# KiCad board AmigaPCI Mainboard.kicad_pcb (continued)
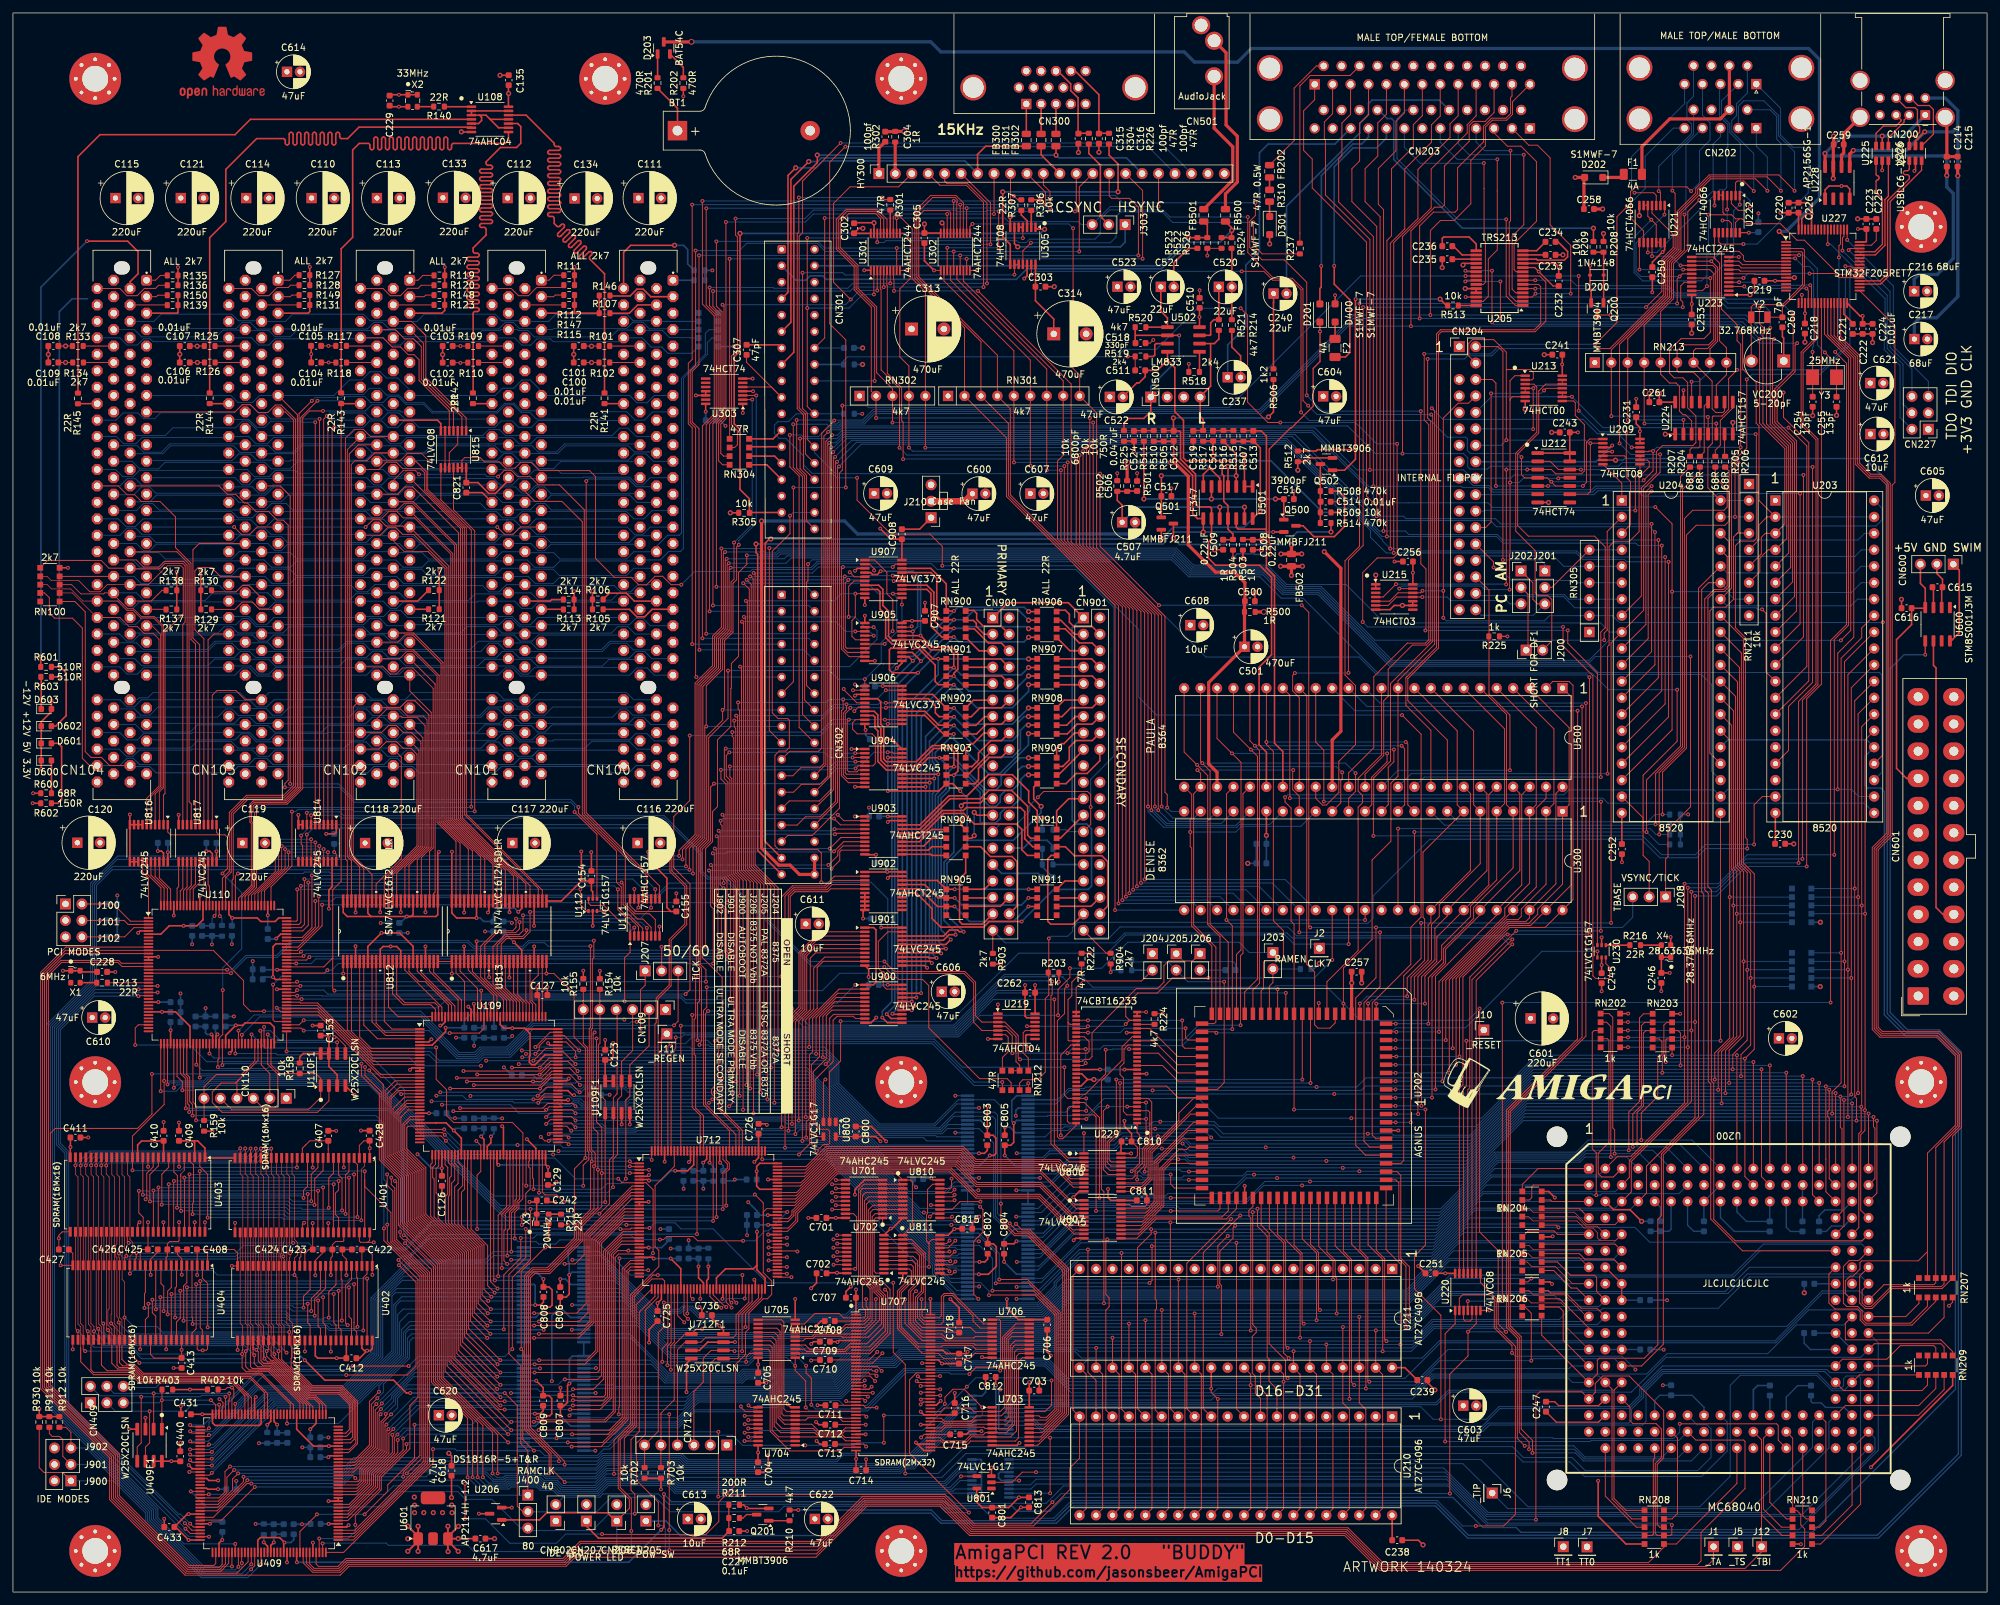
[diagram p0: board, top side]
## Routing (per net, layer and track width the routed paths; a pad name or vN(x,y) marks a point on that pad's centre or on a via; arc(x,y) is an arc through that point) (continued)
_LVTRDY: length 6.9
  Top w0.15: U817.11 25.58,108.91 25.34,108.67 U110.139
_LVTS: length 224.4
  Top w0.15: 27.79,84.63 27.79,75.66 28.27,75.18 v2(28.27,72.85) ; v2(60.25,17.8) 60.25,18.51 62.83,21.09 62.83,48.72 57.28,54.27 v2(57.28,56.16) ; 28.97,11.12 32.23,11.12 v2(37.34,16.22)
  Bottom w0.15: v2(37.34,16.22) 50.65,16.22 52.67,18.25 55.4,18.25 55.85,17.8 v2(60.25,17.8) 63.79,17.8 64.24,18.25 72.96,18.25 74.1,17.11 75.96,17.11 76.27,17.43 81.38,17.43 81.9,16.9 83.97,16.9 84.72,16.15 89.97,16.15 91.46,17.64 101.52,17.64 102.69,16.46 144.06,16.46 146.11,18.51 U809.7 ; v2(57.28,56.16) 57.28,62.74 56.95,63.06 56.95,70.85 56.96,70.86 56.96,72.22 56.33,72.85 v2(28.27,72.85)
_MC1: length 227.9
  Top w0.15: v2(269.07,178.8) 269.18,178.69 269.18,162.69 268.77,162.28 266.66,162.28 265.95,161.57 265.95,148.91 267.5,147.36 267.5,116.5 267.77,116.24 v2(267.77,114.81) ; v2(159.93,100.92) 159.93,92.2 159.94,92.19 159.39,91.65 159.39,80.3 158.21,79.11 155.93,79.11 155.43,78.61 RN212.7
  Top w0.25: U224.1 v1(255.12,178.8)
  Bottom w0.15: v1(255.12,178.8) v2(269.07,178.8) ; v2(267.77,114.81) 261.37,114.81 259.94,113.39 254.28,113.39 251.42,116.24 218.76,116.24 210.01,107.49 210.01,104.08 209.19,103.25 184.5,103.25 184.33,103.42 164.4,103.42 163.62,102.64 163.62,102.04 162.84,101.26 160.27,101.26 v2(159.93,100.92)
_MTR: length 91.3
  Top w0.15: v2(242.1,173.32) 242.09,173.33 U212.12 238.62,173.33 237.35,174.6 U212.2 ; v2(277.86,173.74) 277.86,140.46 274.14,136.74 274.14,129.94 U203.17
  Bottom w0.15: v2(242.1,173.32) 248,173.32 248.41,173.74 v2(277.86,173.74)
_PACK: length 314.2
  Top w0.15: 268.05,163.52 266.25,163.52 266.11,163.38 ; v2(214.55,175.8) 214.53,188.52 214.53,209.29 218.97,213.73 218.97,219.74 224.54,225.3 224.54,226.59 225.91,227.96 CN203.10 ; v2(119.95,178.68) 119.95,173.75 121.39,172.32 121.39,133.51 CN302.20 ; U204.24 262,129.57 262,151.51 262.58,152.09 264.45,152.09 265.65,153.29 265.65,162.92 266.11,163.38 ; 266.11,163.38 266.4,163.67 v2(266.4,174.41)
  Bottom w0.15: v2(119.95,178.68) 121.71,178.68 121.97,178.42 124.39,178.42 125.74,179.77 127.56,179.77 127.86,180.07 206.08,180.07 210.35,175.8 v2(214.55,175.8) 223.96,175.8 224.62,175.14 224.62,173.77 224.98,173.41 227.67,173.41 228.11,173.85 232.78,173.85 232.79,173.86 247.91,173.86 248.46,174.41 v2(266.4,174.41)
_PCIINT: length 103.2
  Top w0.15: v2(37.61,121.16) 37.61,108.79 36.34,107.52 U110.117 ; U815.8 66.07,168.67 70.77,163.97 v2(70.77,121.26)
  Bottom w0.15: v2(37.61,121.16) 70.66,121.16 v2(70.77,121.26)
_PERR: length 136.9
  Top w0.11: CN104.B40 10.79,153.02 8.92,154.9 5.96,154.9 5.3,155.56 RN100.8
  Top w0.13: U816.4 21.95,123.21 23.01,124.27 23.01,149.12 21.74,150.39 19.74,150.39 18.54,151.59 17.59,151.59 16.15,153.02 CN104.B40
  Bottom w0.13: CN104.B40 16.51,153.02 17.62,151.91 18.53,151.91 19.51,152.89 33.19,152.89 ; 53.64,153.01 57.14,153.01 58.26,151.9 59.27,151.9 60.23,152.86 71.65,152.86 71.81,153.02 CN101.B40 ; 33.31,153.02 36.82,153.02 37.93,151.91 39.51,151.91 40.48,152.88 53.49,152.88 ; 94.12,152.87 81.12,152.87 80.15,151.9 78.57,151.9 77.45,153.01 73.95,153.01
_PLOCK: length 134.1
  Top w0.13: CN104.B39 14.16,154.29 14,154.13 10.49,154.13 9.06,155.56 RN100.3 ; 15.54,154 17.73,151.82 18.64,151.82 19.84,150.62 21.84,150.62 23.24,149.22 23.24,124.17 22.6,123.53 U816.3
  Bottom w0.13: 56.11,154.22 53,154.22 51.96,153.18 40.48,153.18 39.37,154.29 CN103.B39 ; 76.5,154.28 80,154.28 81.12,153.17 92.43,153.17 93.47,154.21 96.74,154.21 ; 35.71,154.14 30.7,154.14 29.68,153.12 20.22,153.12 19.05,154.29 CN104.B39 ; 56.18,154.28 59.68,154.28 60.86,153.11 70.31,153.11 71.33,154.13 76.34,154.13
_RAMEN: length 120.1
  Top w0.15: v2(163.2,96.33) 163.2,94.9 161.37,93.07 v2(161.37,89.06) ; v2(101.53,84.68) 101.12,84.27 U712.139
  Bottom w0.15: v2(101.53,84.68) 103.82,84.68 104.88,85.73 146,85.73 149.32,89.06 149.32,89.06 v2(161.37,89.06) ; J203.1 190.89,98.75 189.3,100.34 172.12,100.34 168.11,96.33 v2(163.2,96.33)
_RAMSPACE: length 116
  Top w0.15: 47.28,6.15 47.28,8.25 v2(47.29,8.26) ; v2(52.86,10.37) 52.86,11.78 56.87,15.79 56.87,17.72 61.29,22.14 61.29,28.81 62.53,30.05 62.53,48.28 v2(59.53,51.27) ; U712.130 v2(105.62,55.27)
  Bottom w0.15: v2(47.29,8.26) 51.72,8.26 52.86,9.4 v2(52.86,10.37) ; v2(105.62,55.27) 96.36,55.27 96.18,55.45 80.14,55.45 79.91,55.22 64.45,55.22 61.1,51.87 60.13,51.87 v2(59.53,51.27)
_RAS0: length 21.4
  Top w0.15: U202.57 188.91,59.18 187.34,57.61 176.51,57.61 173.54,54.63 U807.11
_RAS1: length 20
  Top w0.15: U202.56 187.64,58.87 186.68,57.91 176.39,57.91 173.76,55.28 171.08,55.28
_REGEN: length 125.5
  Top w0.15: 100.12,83.67 100.12,85.69 100.76,86.33 ; 100.12,83.67 100.12,85.36 J11.1 ; 100.12,83.67 U712.141 ; U202.23 v2(196.53,92.52)
  Bottom w0.15: 103.64,86.33 145.75,86.33 151.92,92.51 196.52,92.51 v2(196.53,92.52) ; 103.64,86.33 100.76,86.33 ; 103.64,86.33 101.09,86.33
_REGSPACE: length 97.3
  Top w0.15: U712.41 100.62,48.03 100.3,48.35 98.66,48.35 95.94,45.62 95.94,25.73 94.94,24.74 94.94,24.73 93.76,23.54 93.76,16.14 95.47,14.42 v2(95.47,9.43) ; U409.143 v2(47.81,7.51)
  Bottom w0.15: v2(47.81,7.51) 47.85,7.56 57.63,7.56 57.97,7.22 70.21,7.22 71.18,6.25 94.6,6.25 95.47,7.12 v2(95.47,9.43)
_REQ0: length 108.9
  Top w0.15: v2(49.61,179.86) 49.28,179.52 U814.2
  Bottom w0.13: v2(49.61,179.86) 54.1,179.86 55.08,180.84 56.96,180.84 57.94,179.86 59.41,179.86 60.35,180.8 61.72,180.8 62.66,179.86 74.42,179.86 75.4,180.84 77.09,180.84 78.07,179.86 80.07,179.86 81.11,180.9 94.22,180.9
_REQ1: length 90
  Top w0.15: v2(48.47,181.62) 47.97,181.12 U814.4
  Bottom w0.13: v2(48.47,181.62) 48.92,182.07 54.36,182.07 55.3,181.13 56.93,181.13 57.88,182.08 59.57,182.08 60.52,181.13 73.8,181.13
_REQ2: length 67.2
  Top w0.15: U814.3 48.62,180.55 v2(49.04,180.96)
  Bottom w0.13: CN102.B18 v2(49.04,180.96)
_REQ3: length 76.3
  Top w0.15: U814.6 46.68,180.63 v2(46.67,180.64)
  Bottom w0.13: v2(46.67,180.64) 44.68,180.64 44.52,180.8 39.8,180.8 38.86,179.86 37.61,179.86 36.39,181.08 33.44,181.08
_REQ4: length 99.6
  Top w0.15: U814.5 47.32,181.13 v2(47.34,181.15)
  Bottom w0.13: v2(47.34,181.15) 39.78,181.15 38.86,182.07 37.92,182.07 36.65,183.34 35.41,183.34 34.17,182.1 22.79,182.1 21.87,181.18 20.19,181.18 19.3,182.07 17.01,182.07 15.91,180.96 CN104.B18
_RESET: length 707
  Top w0.15: v2(219.07,182.8) 219.5,182.37 219.5,146.36 213.85,140.71 U500.11 213.85,126 212.75,124.9 212.75,115.94 209.85,113.03 209.85,100.79 205.42,96.36 205.42,90.89 v2(205.43,90.88) 205.42,90.87 U202.16 ; 115.85,58.07 115.85,58.69 116.36,59.2 U712.94 ; 115.85,58.07 115.85,60.09 v2(114.55,61.39) ; 115.85,58.07 115.85,49.33 117.15,48.03 117.15,45.95 116.48,45.28 115.83,45.28 113.63,43.08 113.63,40.65 113.1,40.12 113.1,36.68 111.57,35.14 111.57,16.51 109.75,14.69 ; 120.25,90.24 120.25,90.85 ; 120.25,90.85 120.25,95.57 120.01,95.8 120.01,107.42 120.74,108.14 125.79,108.14 126.24,108.59 U902.5 ; 120.25,90.85 v2(120.25,90.13) ; v2(69.79,11.31) v2(69.79,16.72) ; 109.75,14.69 110.13,15.07 143.9,15.07 148.44,10.53 157.15,10.53 v2(160.5,13.88) ; 109.75,14.69 108.98,13.92 108.98,10.89 106.99,8.9 91.01,8.9 v2(90.96,8.95) ; U220.6 225.93,41.46 v2(224.66,40.2) 224.66,36.45 221.85,33.64 221.85,15.24 v2(221.87,15.21) ; v2(230.54,40.18) 229.32,41.4 229.32,52.73 226.45,55.6 v2(226.45,90.1) ; U209.12 v2(249.93,176.75) ; v2(52.86,17.59) 52.41,18.04 U409.21 ; v2(28.84,79.46) U110.49
  Bottom w0.15: v2(249.93,176.75) 247.83,178.85 244.65,178.85 242.42,181.08 220.79,181.08 v2(219.07,182.8) ; v2(221.87,15.21) 161.83,15.21 v2(160.5,13.88) ; v2(224.66,40.2) 224.68,40.18 v2(230.54,40.18) ; v2(28.84,79.46) 29.09,79.71 55.65,79.71 74.21,61.14 114.31,61.14 v2(114.55,61.39) ; v2(52.86,17.59) 53.18,17.27 69.24,17.27 v2(69.79,16.72) ; v2(69.79,11.31) 72.95,11.31 76.72,7.54 83.92,7.54 85.33,8.95 v2(90.96,8.95) ; v2(226.45,90.1) 224.64,88.29 208.02,88.29 v2(205.43,90.88) 202.69,93.62 195,93.62 194.77,93.4 166.74,93.4 164.77,95.37 153.08,95.37 145.25,87.53 122.84,87.53 v2(120.25,90.13)
_ROMEN: length 162.6
  Top w0.15: U211.20 163.67,48.87 163.67,28.12 U210.20 164.68,20.66 163.17,19.15 163.17,15.81 157.59,10.23 148.32,10.23 143.77,14.77 131.2,14.77 127.54,11.11 127.54,11.06 124.3,7.82 87.56,7.82 84.91,5.18 51.4,5.18 50.18,3.96 47.18,3.96 46.81,4.33 U409.141
_RSTOUT: length 45.3
  Top w0.15: v2(231.45,36.93) 231.45,38.05 228.72,40.78 228.72,45.22 228,45.94 223.87,45.94 223.32,45.39 U220.2
  In3.Cu w0.15: U200.129 250.51,29.4 v2(250.51,34.36)
  Bottom w0.15: v2(231.45,36.93) 231.96,36.42 248.45,36.42 v2(250.51,34.36)
_RSTPCI: length 175.9
  Top w0.15: CN103.A15 43.93,181.79 43.93,124.32 42.03,122.43 36.29,122.43 34.01,120.15 34.01,110.1 33.84,109.93 U110.122
  Bottom w0.13: CN104.A15 33.66,184.77 34.76,183.67 36.97,183.67 38.07,184.77 CN103.A15 ; 61.26,184.76 74.46,184.76 75.59,185.89 ; CN102.A15 61.26,185.61 59.41,187.47 57.66,187.47 56.7,188.43 55.12,188.43 53.85,187.16 51.94,187.16 49.56,184.77 40.93,184.77
  Bottom w0.15: 81.57,184.76 95.23,184.76 96.35,183.65 97.9,183.65 99.02,184.76 101.89,184.76 ; 75.59,185.89 77.31,185.89 78.58,187.16 79.88,187.16 81.58,185.46
_RTCEN: length 504.3
  Top w0.15: v2(103.38,113.14) 103.38,114.63 105.62,116.88 105.62,140.23 108.32,142.93 108.32,147.5 109.68,148.86 109.68,160.34 v2(109.95,160.61) ; v2(282.22,146.96) 283.75,148.49 283.75,190.61 280.2,194.16 U227.26 ; U409.117 v2(34.81,3.91)
  Bottom w0.15: v2(103.38,113.14) 16.09,113.14 12.3,109.35 12.3,94.32 5.51,87.53 5.51,28.87 21.68,12.7 21.7,12.7 21.7,11.3 29.58,3.43 34.32,3.43 v2(34.81,3.91) ; v2(282.22,146.96) 246.41,146.96 243.32,143.87 212.97,143.87 201.86,154.98 196.41,154.98 193.42,157.97 182.03,157.97 179.4,160.6 118.31,160.6 117.86,160.16 115.92,160.16 115.47,160.61 109.95,160.61 v2(109.95,160.61)
_RxD: length 101.7
  Top w0.15: U205.8 235.73,203.22 236.67,202.28 236.67,196.26 235.03,194.62 220.56,194.62 220.1,194.16 220.1,145.78 215.37,141.05 215.37,141.05 215.37,137.66 221.47,131.55 U500.41
_SEL0: length 98.3
  Top w0.15: v2(240.7,184.57) U213.9 U213.10 ; v2(274.14,179.81) 276.98,176.97 276.98,142.93 U203.13
  Bottom w0.15: CN204.10 228.26,184.57 v2(240.7,184.57) 245.47,179.81 274.14,179.81 v2(274.14,179.81)
_SEL1: length 109.8
  Top w0.15: U203.14 277.27,140.69 277.27,177.49 273.37,181.39 v2(273.37,185.22) ; v2(234.73,179.57) 234.73,185.85 v2(234.75,185.88) U213.4 U213.5
  Bottom w0.15: v2(273.37,185.22) 272.3,186.3 235.18,186.3 v2(234.75,185.88) ; v2(234.73,179.57) 234.68,179.62 CN204.12
_SIDE: length 56.7
  Top w0.15: U203.12 270.68,142.07 270.68,151.13 v2(270.07,151.74)
  Bottom w0.15: v2(270.07,151.74) 269.39,151.74 269.14,151.99 241.13,151.99 239.41,153.71 233.85,153.71 233.69,153.88 226.19,153.88
_STEP: length 76.4
  Top w0.15: U203.10 275.93,149.5 v2(275.93,169.63)
  Bottom w0.15: v2(275.93,169.63) 275.92,169.63 263.28,169.63 262.86,169.21 251.71,169.21 250.88,170.05 244.71,170.05 244.12,169.46 CN204.20
_STOP: length 149.9
  Top w0.11: 10.12,156.22 5.89,156.22 5.27,156.84 RN100.7 ; CN104.A38 15.71,155.56
  Top w0.13: 26.29,158.13 25.94,158.48 23.84,158.48 20.92,155.56 CN104.A38 ; 15.71,155.56 14.57,155.56 13.46,154.46 11.88,154.46 10.12,156.22
  Top w0.15: U816.2 23.25,123.08 23.48,123.31 23.48,148.26 26.29,151.07 26.29,158.13
  Bottom w0.13: 99.35,155.55 96.5,155.55 95.39,154.44 93.81,154.44 92.84,155.41 79.17,155.41 ; 58.71,155.56 55.87,155.56 54.75,154.45 53.17,154.45 52.2,155.42 38.54,155.42 ; 58.86,155.41 72.53,155.41 73.5,154.44 75.08,154.44 76.19,155.55 79.04,155.55 ; 18.23,155.42 31.89,155.42 32.86,154.45 34.44,154.45 35.56,155.56 CN103.A38
_SYSERR: length 132.2
  Top w0.11: 12.97,150.48 9.17,154.28 RN100.2
  Top w0.13: U816.6 20.65,122.56 22.55,124.46 22.55,147.13 21.64,148.04 20.24,148.04 19.2,149.08 17.93,149.08 16.52,150.48 15.56,150.48
  Top w0.15: 15.56,150.48 CN104.B42
  Bottom w0.13: 74.11,150.63 77.09,150.63 78.36,149.36 79.88,149.36 81,150.47 94.27,150.47 ; CN101.B42 60.96,150.48 59.84,151.6 58.2,151.6 57.23,150.63 53.79,150.63 ; 33.47,150.63 36.45,150.63 37.71,149.37 39.15,149.37 40.26,150.48 53.63,150.48 ; CN104.B42 16.11,150.48 17.22,149.38 18.94,149.38 20.04,150.48 CN103.B42
_TA: length 427
  Top w0.15: v2(93.46,63.81) 94.07,63.2 U712.7 97.76,63.2 98.84,62.12 98.84,52.35 v2(98.81,52.32) ; U110.34 19.36,87.59 18.88,87.11 18.88,84.48 v2(18.87,84.47) ; v2(101.33,27.45) v2(101.33,9.57) ; v2(93.54,27.44) 93.54,28.5 93.64,28.6 v2(93.64,51.53) ; J1.1 262.56,5.01 261.5,3.94 211.25,3.94 205.87,9.33 147.94,9.33 143.4,13.88 131.62,13.88 124.22,6.47 v2(101.33,6.47) 101.29,6.44 87.01,6.44 85.16,4.58 51.65,4.58 50.43,3.36 46.39,3.36 45.31,4.44 U409.138 ; RN210.9 276.87,11.3 276.34,11.82 276.34,22.21
  In3.Cu w0.15: 276.34,22.21 276.34,20.79 J1.1
  Bottom w0.15: v2(18.87,84.47) 27.34,84.47 29.92,81.89 51.81,81.89 52.03,82.12 55.87,82.12 60.47,77.52 60.47,75.32 68.77,67.01 83.66,67.01 86.86,63.81 v2(93.46,63.81) ; v2(93.64,51.53) 98.01,51.53 v2(98.81,52.32) ; v2(93.54,27.44) 101.32,27.44 v2(101.33,27.45) ; v2(101.33,9.57) v2(101.33,6.47)
_TBI: length 307
  Top w0.15: 269.97,12.35 269.98,12.34 J12.1 269.98,6.19 267.44,3.64 211.13,3.64 205.74,9.03 147.82,9.03 143.28,13.57 131.75,13.57 124.07,5.9 v2(100.72,5.9) 86.9,5.9 85.28,4.28 51.77,4.28 50.55,3.06 46.26,3.06 44.81,4.51 U409.137 ; 269.97,12.35 269.97,23.5 U200.155 ; 269.97,12.35 269.97,11.92 273.15,8.74 RN210.4 ; v2(99.65,10.29) 99.65,13.88 96.26,17.27 96.26,22.97 97.64,24.35 97.64,43.54 99.62,45.51 U712.39
  Bottom w0.15: v2(99.65,10.29) 100.22,10.29 100.72,9.79 v2(100.72,5.9)
_TCI: length 241.8
  Top w0.15: 266.18,22.21 266.18,16.78 256.82,7.42 RN208.6 254.92,6.94 252.52,4.55 211.5,4.55 206.11,9.93 148.19,9.93 143.65,14.47 131.38,14.47 124.43,7.52 87.68,7.52 85.03,4.88 51.52,4.88 50.3,3.66 46.51,3.66 45.81,4.36 U409.139
_TEA: length 400
  Top w0.15: 274.79,12.63 274.79,23.77 U200.157 ; U110.10 8.17,99.59 4.27,95.69 4.27,31.39 14.92,20.74 14.92,14.27 26.58,2.61 50.53,2.61 51.9,3.98 85.41,3.98 86.8,5.38 123.97,5.38 131.87,13.27 143.15,13.27 147.7,8.73 205.62,8.73 211,3.34 272.93,3.34 276.64,7.06 276.64,9.76 276.04,10.36 276.04,11.99 275.41,12.62 RN210.1
_TIP: length 155.5
  Top w0.15: U200.141 279.92,26.26 279.92,11 278.94,10.02 RN210.8
  Bottom w0.15: U200.141 277.84,26.26 277.84,22.32 268.4,12.87 230.82,12.87 J6.1 223.87,19.82 158.16,19.82 158.15,19.81 153.79,19.81
_TRDY: length 148.5
  Top w0.13: 14.81,158.1 13.62,159.3 12.18,159.3
  Top w0.15: 18.18,158.01 22.66,158.01 23.49,158.84 26.21,158.84 26.59,158.46 26.59,149.79 26.23,149.43 U817.9 ; RN100.6 5.35,159.3 12.18,159.3 ; CN104.A36 14.81,158.1
  Bottom w0.13: CN103.A36 34.9,158.1 33.78,156.98 32.11,156.98 31.01,156.98 30.41,156.39 24.01,156.39 22.44,157.96 18.23,157.96 ; 58.71,158.1 55.21,158.1 54.09,156.98 43.73,156.98 42.75,157.96 38.54,157.96 ; 79.17,157.95 83.38,157.95 84.36,156.97 94.72,156.97 95.84,158.09 99.35,158.09 ; 79.04,158.09 75.54,158.09 74.41,156.97 64.05,156.97 63.07,157.95 58.86,157.95
_TS: length 184.9
  Top w0.15: U200.142 282.92,28.8 294.25,28.8 296.89,31.44 RN209.8
  In3.Cu w0.15: U200.142 279.92,25.79 279.92,20.64 J5.1
  Bottom w0.15: U809.13 220.89,19.16 227.76,12.29 270.42,12.29 280.38,22.25 280.38,26.26 U200.142
_TxD: length 98.8
  Top w0.15: U500.40 218.93,133.06 215.06,136.93 215.06,141.17 215.24,141.35 215.25,141.35 219.8,145.9 219.8,194.28 220.44,194.92 234.91,194.92 235.88,195.89 235.88,201.59 235.55,201.92 U205.6
_UDS: length 117.5
  Top w0.15: U229.52 163.1,74.96 162.8,74.66 162.8,72.71 163.09,72.42 U229.56 164.16,72.07 162.09,70 161.57,70 161.26,70.31 161.26,88.21 162.37,89.32 162.37,93.2 v2(162.79,93.62) ; v2(107.32,89.72) 106.93,89.32 106.93,75.34 111.62,70.65 U712.118
  Bottom w0.15: v2(107.32,89.72) 107.33,89.71 119.64,89.71 122.12,87.23 145.37,87.23 153.15,95.01 162.11,95.01 162.11,94.93 162.79,94.25 v2(162.79,93.62)
_UMBE: length 152.6
  Top w0.15: U110.38 v2(23.34,78.92) 23.34,75.29 18.45,70.4 U403.15 18.45,65.15 v2(18.46,65.14) ; v2(110.14,59.68) 110.12,59.7 110.12,64.84 110.6,65.32 110.6,66.24 110.12,66.72 U712.121 ; v2(43.84,65.57) 43.84,67
  Bottom w0.15: v2(23.34,78.92) 29.46,78.92 29.95,79.41 55.53,79.41 75.26,59.68 v2(110.14,59.68) ; v2(43.84,65.57) 26.37,65.57 25.87,65.07 18.46,65.07
_UUBE: length 177.6
  Top w0.15: v2(108.11,57.32) 108.12,57.33 U712.125 ; U403.39 17.65,54.13 v2(17.87,53.91) ; U401.39 43.08,54.08 v2(43.25,53.91) ; v2(22.81,77.34) 22.81,84.65
  Bottom w0.15: v2(17.87,53.91) v2(43.25,53.91) 45.66,53.91 46.45,53.12 60.54,53.12 64.74,57.32 77.19,57.32 ; 77.19,57.32 v2(108.11,57.32) ; 77.19,57.32 76.34,57.32 55.15,78.51 30.32,78.51 29.83,78.02 25.9,78.02 25.21,77.33 22.82,77.33 v2(22.81,77.34)
_VBEN: length 128.8
  Top w0.15: U701.19 129.77,58.43 130.27,57.93 130.27,50.12 v2(130.05,49.9) 130.04,49.89 U702.19 ; U704.19 112.96,23.31 v2(112.95,23.32) ; v2(101.57,34.34) 101.57,38.08 102.12,38.62 U712.44 ; v2(160.36,32.68) 160.36,28.88 159.35,27.87 U703.19
  In2.Cu w0.15: v2(147.28,31.71) 147.28,32.26 143.4,36.15 140,36.15 132.42,43.72 132.42,47.12 130.05,49.5 v2(130.05,49.9) ; v2(101.57,34.34) 102.08,34.34 112.95,23.46 v2(112.95,23.32)
  Bottom w0.15: v2(112.95,23.32) 113.66,23.32 115.28,24.95 140.52,24.95 v2(147.28,31.71) 148.66,33.09 158.88,33.09 159.29,32.68 v2(160.36,32.68)
_VC1: length 125.9
  Top w0.15: v2(119.98,166.21) 119.98,163.45 117.24,160.71 117.24,135.77 118.13,134.88 119.62,134.88 119.87,134.63 119.87,130.4 119.34,129.87 118.31,129.87 117.65,129.21 117.65,115.23 118.24,114.64 124.29,114.64 124.81,114.12 v2(124.81,109.6) ; v2(135.08,94.92) 136.42,94.92 136.74,94.6 140.44,94.6 141.4,93.65 141.4,87.13 149.26,79.27 153.51,79.27 154.11,78.67 RN212.6
  Bottom w0.15: v2(119.98,166.21) 120.47,166.7 CN301.34 ; v2(124.81,109.6) 132.49,109.6 135.08,107.01 v2(135.08,94.92)
_VC3: length 167.3
  Top w0.15: v2(152.76,78.75) 152.77,78.73 RN212.5 ; v2(111.34,162.06) 111.33,162.05 111.33,156.4 110.88,155.95 110.88,148.36 109.57,147.05 109.57,142.49 107.04,139.96 v2(107.04,133.67) 106.82,133.44 106.82,116.38 105.51,115.07 105.51,96.72 106,96.23 106,91.26 105.71,90.96 105.71,85.21 v2(105.7,85.21) ; v2(114.14,184.14) 112.69,184.14
  Bottom w0.15: v2(107.04,133.67) 107.05,133.67 CN302.17 ; v2(111.34,162.06) 114.14,164.86 v2(114.14,184.14) ; v2(105.7,85.21) 105.71,85.2 107.22,85.2 107.9,84.53 109.04,84.53 109.49,84.98 142.17,84.98 148.4,78.75 v2(152.76,78.75)
_VSYNC: length 299.4
  Top w0.15: U305.10 U305.9 v2(154.63,203.43) ; v2(121.92,203.73) 121.92,182.77 122.65,182.03 122.65,177.97 CN301.26 ; v2(210.45,102.63) 210.45,94.86 207.32,91.73 207.32,68.99 208.85,67.46 U202.79 ; v2(167.84,172.7) 167.84,161.48 v2(176.95,152.38) ; v2(198.99,152.38) 200.07,151.29 200.07,102.84 v2(200.29,102.63)
  Bottom w0.15: J208.3 250.09,104.21 248.51,102.63 v2(210.45,102.63) v2(200.29,102.63) ; v2(176.95,152.38) v2(198.99,152.38) ; v2(154.63,203.43) 154.59,203.39 128.46,203.39 128.12,203.73 v2(121.92,203.73) ; CN301.26 123.77,175.93 127,172.7 v2(167.84,172.7)
_XCLKEN: length 234.8
  Top w0.15: U230.6 245.94,97.05 246.51,96.48 246.51,94.88 246.38,94.74 244.36,94.74 243.94,95.16 243.94,141.48 239.33,146.09 v2(239.33,149.02) ; v2(213.71,177.31) 213.71,160.24 213.16,159.69 210.66,159.69 208.4,157.43 v2(208.4,149.79) ; v2(189.56,198.24) 190.62,197.17 190.62,183.74 193.77,180.6 v2(195.68,180.6)
  Bottom w0.15: v2(239.33,149.02) 209.17,149.02 v2(208.4,149.79) ; v2(189.56,198.24) 182.88,198.24 176.54,191.89 171.54,191.89 170.39,190.74 128.85,190.74 128.25,190.14 R308.1 ; v2(213.71,177.31) 210.57,177.31 207.28,180.6 v2(195.68,180.6)
  Bottom w0.25: 128.26,189.56 123.78,189.56
A0: length 254.7
  Top w0.15: v2(108.9,14.74) 108.91,14.75 v2(108.92,24.74) ; RN207.4 298.16,42.4 295.75,39.99 U200.102
  Bottom w0.15: U805.47 91.92,22.47 94.19,24.74 v2(108.92,24.74) ; U200.102 288,38.49 288,21.89 275.74,9.63 255.37,9.63 254.66,10.34 227.59,10.34 221.55,16.38 162.19,16.38 161.34,15.53 161.34,15.51 159.52,13.69 145.51,13.69 144.46,14.74 v2(108.9,14.74)
A1: length 248.3
  Top w0.15: v2(196.81,33) 196.49,33.33 196.49,35.82 193.95,38.35 193.95,55.43 192.72,56.66 U202.60 ; RN207.1 294.28,44.57 292.24,42.53 U200.96
  Bottom w0.15: U805.40 102.6,26.91 105.64,29.95 117.69,29.95 118.52,30.78 127.54,30.78 132.33,35.57 135.85,35.57 137.1,36.82 144.01,36.82 145.14,35.69 150.9,35.69 151.32,36.11 159.76,36.11 162.87,33 214.92,33 220.41,38.49 272.19,38.49 277.27,43.57 285.46,43.57 U200.96
A2: length 444.4
  Top w0.15: U210.21 165.7,12.88 165.7,33.63 U211.21 ; RN207.9 295.6,52.57 ; 295.6,52.57 294.17,51.14 285.46,51.14 285.17,50.85 285.17,49.85 284.1,48.78 283.66,48.78 282.92,48.04 282.92,46.11 U200.89 ; 295.6,52.57 295.6,67.78 299.96,72.14 299.96,82.73 297.01,85.67 288.26,85.67 287.08,86.86 287.08,114.98 289.24,117.14 289.24,170.99 288.22,172.01 286.61,172.01 284.52,174.1 284.52,190.69 281.2,194.01 U227.28 ; v2(196.98,36.13) 196.19,36.91 196.19,53.88 193.99,56.09 U202.61
  Bottom w0.15: 167.05,36.13 166.17,36.13 U211.21 ; 167.05,36.13 v2(196.98,36.13) 217.57,36.13 220.24,38.79 272.06,38.79 279.41,46.14 282.89,46.14 U200.89 ; 167.05,36.13 165,36.13 164.01,37.12 148.74,37.12 147.8,36.17 145.08,36.17 144.14,37.12 136.98,37.12 135.73,35.87 132.21,35.87 127.42,31.08 118.39,31.08 117.56,30.25 105.51,30.25 103.45,28.19 U805.38
A3: length 436.3
  Top w0.15: U227.29 281.7,193.94 284.82,190.82 284.82,174.22 286.73,172.31 288.34,172.31 289.55,171.1 289.55,117.03 287.38,114.86 287.38,86.98 288.39,85.97 297.14,85.97 300.26,82.85 300.26,72.02 296.88,68.64 RN207.8 296.88,47.76 296.58,47.46 288.89,47.46 U200.90 ; U210.22 168.25,12.88 168.25,33.63 U211.22 167.23,37.68 v2(167.25,37.7) ; U202.62 195.26,55.24 196.5,54.01 196.5,38.02 v2(196.81,37.7)
  Bottom w0.15: U200.90 285.08,46.49 279.34,46.49 273.88,41.03 219.33,41.03 216,37.7 v2(167.25,37.7) 167.23,37.72 133.21,37.72 127.17,31.68 118.14,31.68 117.31,30.85 105.26,30.85 103.87,29.45 U805.36
A4: length 442.3
  Top w0.15: U227.30 282.2,193.86 285.12,190.94 285.12,174.35 286.86,172.61 288.47,172.61 289.85,171.23 289.85,116.9 287.68,114.73 287.68,87.11 288.51,86.27 297.26,86.27 300.56,82.98 300.56,71.89 298.16,69.49 RN207.7 298.16,47.59 297.73,47.16 289.98,47.16 286.91,44.09 286.09,44.09 285.51,44.66 285.51,46.63 U200.84 ; v2(169.77,39.28) U211.23 170.79,33.63 170.79,12.88 U210.23 ; U202.63 196.53,54.4 198.74,52.19 v2(198.74,39.28)
  Bottom w0.15: U805.32 92.62,32 92.87,31.75 116.94,31.75 117.77,32.58 126.8,32.58 132.87,38.65 160.66,38.65 161.29,39.28 v2(169.77,39.28) v2(198.74,39.28) 216.3,39.28 219.11,42.09 238.77,42.09 240.2,43.52 245.17,43.52 245.47,43.82 263.3,43.82 268.13,48.65 285.46,48.65 U200.84
A5: length 446.5
  Top w0.15: v2(199.3,41.44) 199.04,41.7 199.04,52.31 197.8,53.55 U202.64 ; 286.5,50.15 285.13,48.78 285.13,44.62 285.97,43.79 287.03,43.79 290.11,46.86 297.85,46.86 RN207.6 299.48,70.39 300.86,71.77 300.86,83.1 297.39,86.57 288.64,86.57 287.98,87.23 287.98,114.61 290.15,116.78 290.15,170.93 290.58,171.36 290.58,195.52 U227.33 ; U210.24 173.32,12.88 173.32,33.63 U211.24 v2(172.31,41.44)
  Bottom w0.15: 286.5,50.15 285.46,49.12 267.8,49.12 264.79,46.11 220.75,46.11 216.09,41.44 v2(199.3,41.44) v2(172.31,41.44) 161.76,41.44 160.16,39.85 132.37,39.85 126.32,33.8 112.9,33.8 112.3,33.2 101.01,33.2 98.4,35.81 U805.26
A6: length 280.1
  Top w0.15: 281.42,50.15 280.38,49.12 280.38,44.64 281.32,43.7 284.79,43.7 285.21,43.28 285.21,42 285.99,41.22 293.21,41.22 296.88,44.89 RN207.3 ; v2(174.84,41.97) 174.85,41.96 U211.25 175.87,33.63 175.87,12.88 U210.25 ; U202.65 199.07,54.55 201.27,52.34 201.27,41.97 v2(201.27,41.97)
  Bottom w0.15: 281.42,50.15 268.1,50.15 264.36,46.41 220.63,46.41 216.19,41.97 v2(201.27,41.97) v2(174.84,41.97) 161.86,41.97 160.04,40.15 132.24,40.15 126.19,34.1 112.77,34.1 112.17,33.5 101.13,33.5 95.39,39.24 U804.47
A7: length 287.1
  Top w0.15: U200.72 285,51.19 283.53,51.19 282.62,50.28 282.62,44.6 283.13,44.09 283.8,44.09 ; 283.68,44.09 284.83,44.09 285.51,43.41 285.51,42.12 286.12,41.52 292.98,41.52 295.6,44.14 RN207.2 ; U202.66 200.34,53.7 201.57,52.46 201.57,43.77 v2(201.8,43.55) ; v2(177.38,43.55) 177.39,43.53 U211.26 178.4,33.63 178.4,12.88 U210.26
  Bottom w0.15: U200.72 285.46,53.73 270.27,53.73 265.49,48.95 221.89,48.95 216.49,43.55 v2(177.38,43.55) 162.16,43.55 159.67,41.05 131.87,41.05 127.57,36.75 121.69,36.75 121.31,37.12 114.34,37.12 113.59,36.38 101.61,36.38 96.21,41.78 U804.43
A8: length 422.3
  Top w0.15: U202.67 201.61,53.35 203.82,51.14 v2(203.82,48.27) ; RN204.1 238.27,56.66 v2(238.62,56.31) ; U200.66 285.51,54.25 265.91,54.25 262.6,57.56 262.6,78.56 262.24,78.92 262.24,108.4 261.7,108.94 261.7,153.42 262.78,154.5 264.23,154.5 264.98,155.24 264.98,162.16 U204.38 ; v2(179.97,48.27) 179.93,48.24 U211.27 180.94,33.63 180.94,12.88 U210.27
  Bottom w0.15: U200.66 285.3,54.03 252.71,54.03 250.43,56.31 224.35,56.31 216.31,48.27 v2(203.82,48.27) v2(179.97,48.27) 162.65,48.27 158.42,44.05 130.63,44.05 128.88,42.3 105.91,42.3 104.66,43.55 103.6,43.55 103.11,43.06 99.17,43.06 91.56,50.67 U804.29 ; U203.38 285.89,163.48 284.87,162.45 264.68,162.45 U204.38